# Altium PCB controller_V1.3.PcbDoc (part 1 of 6)
Units mil, origin at the board's own origin, x right, y up, seen from the top; angles counter-clockwise.
Board outline 9606 x 5905.51 mil, 2 copper layers (Top Layer, Bottom Layer); 441 components, 367 nets, 1496 pads, 5349 vias.
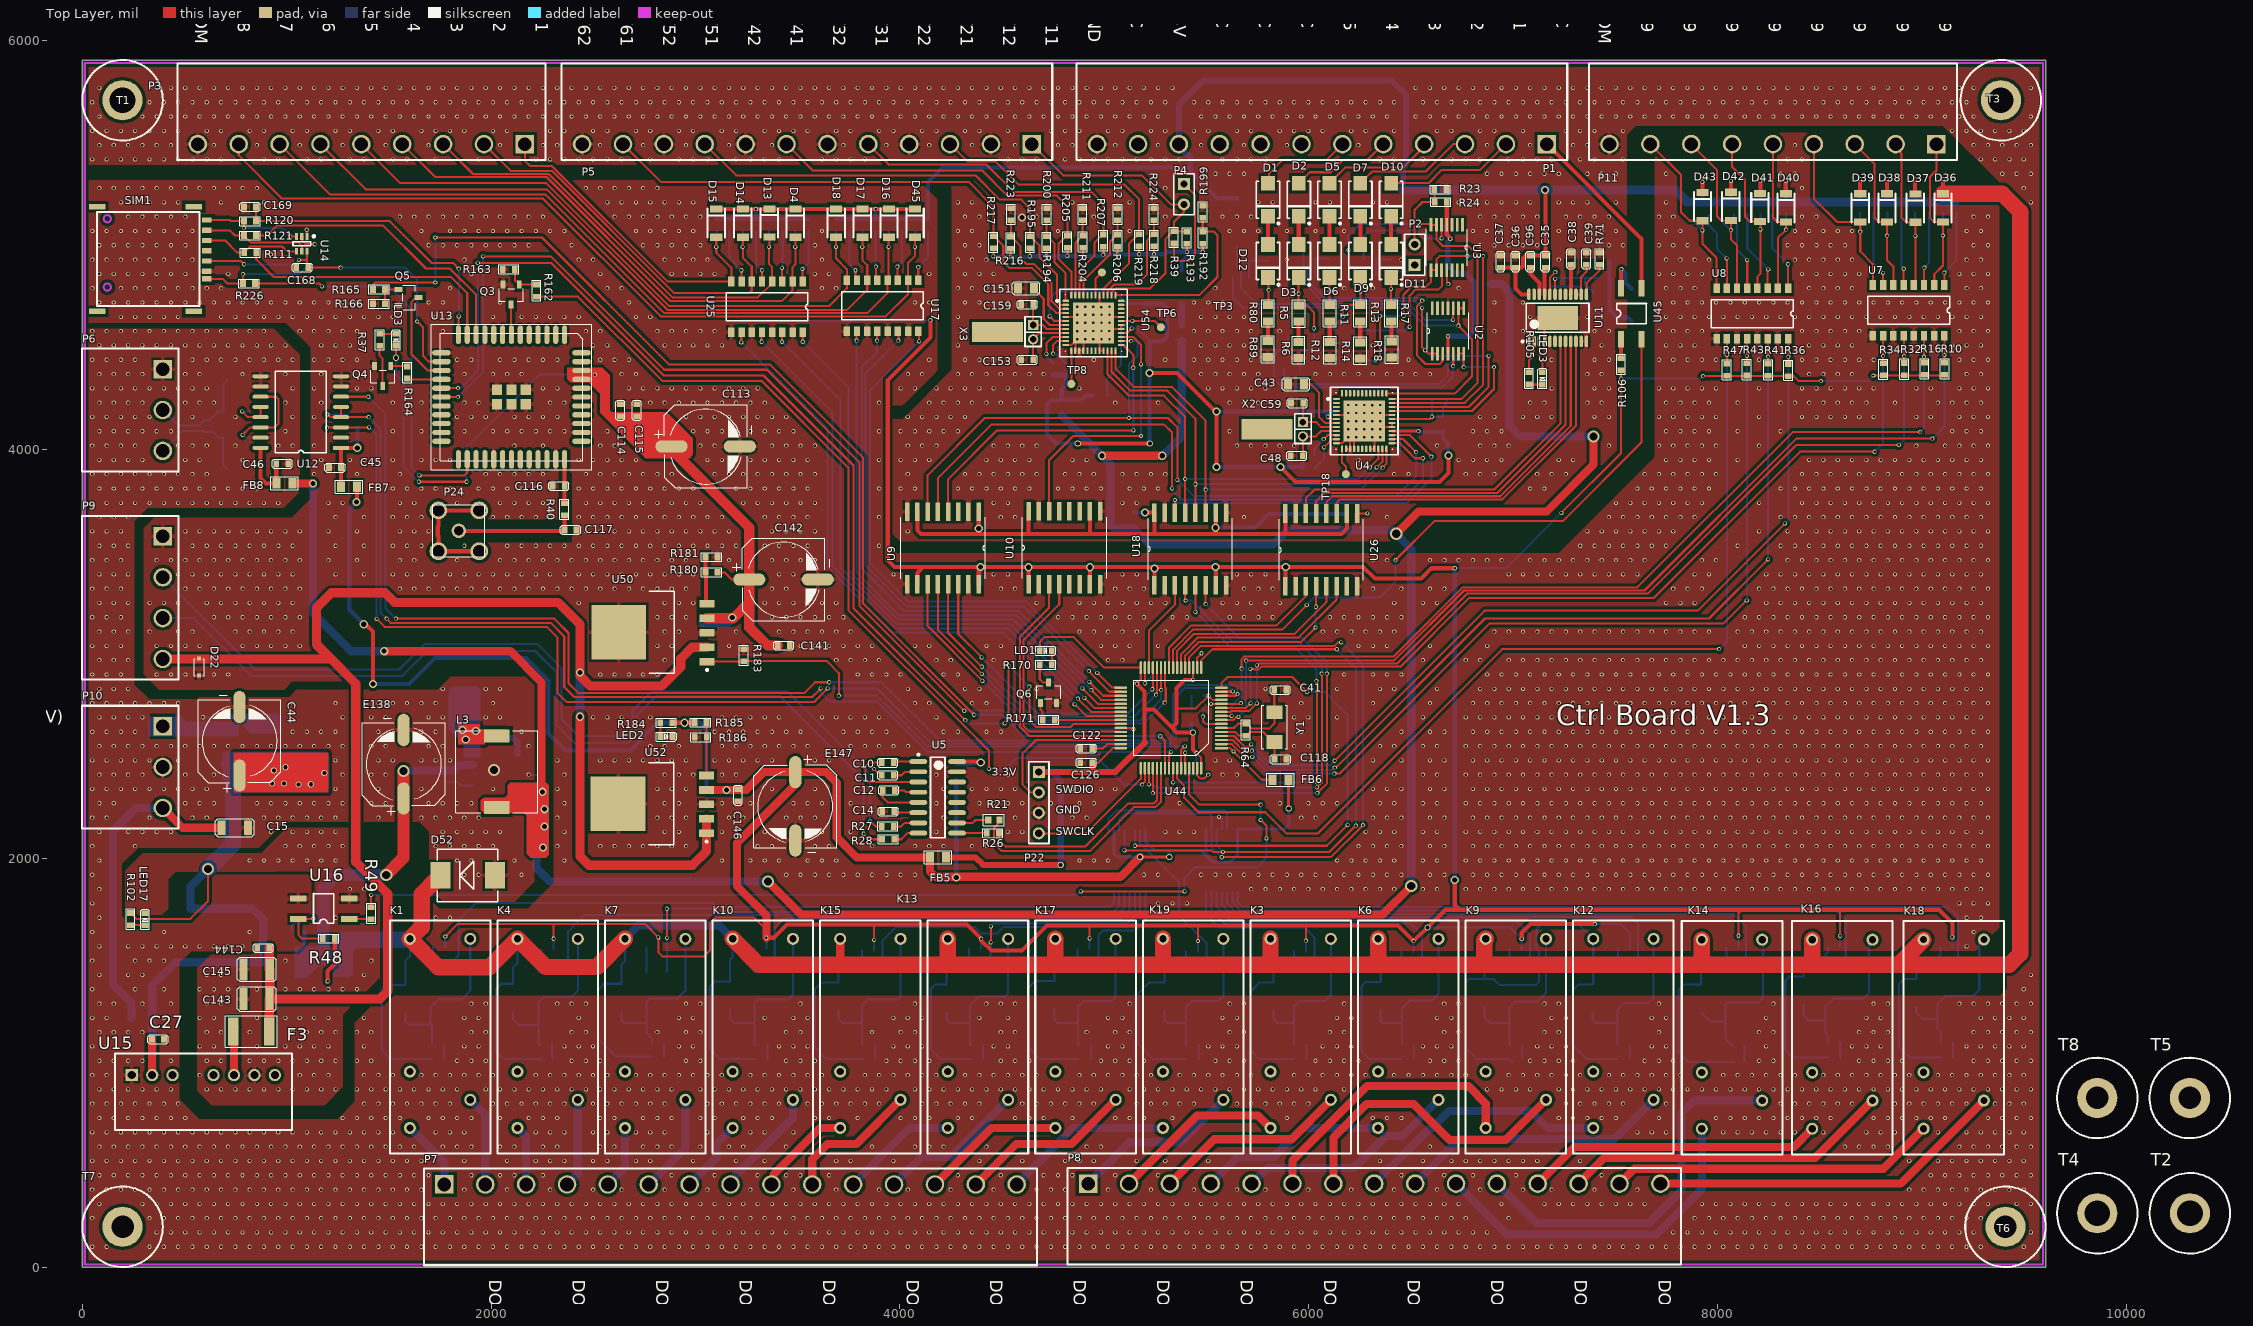
[diagram p0: Top Layer view]
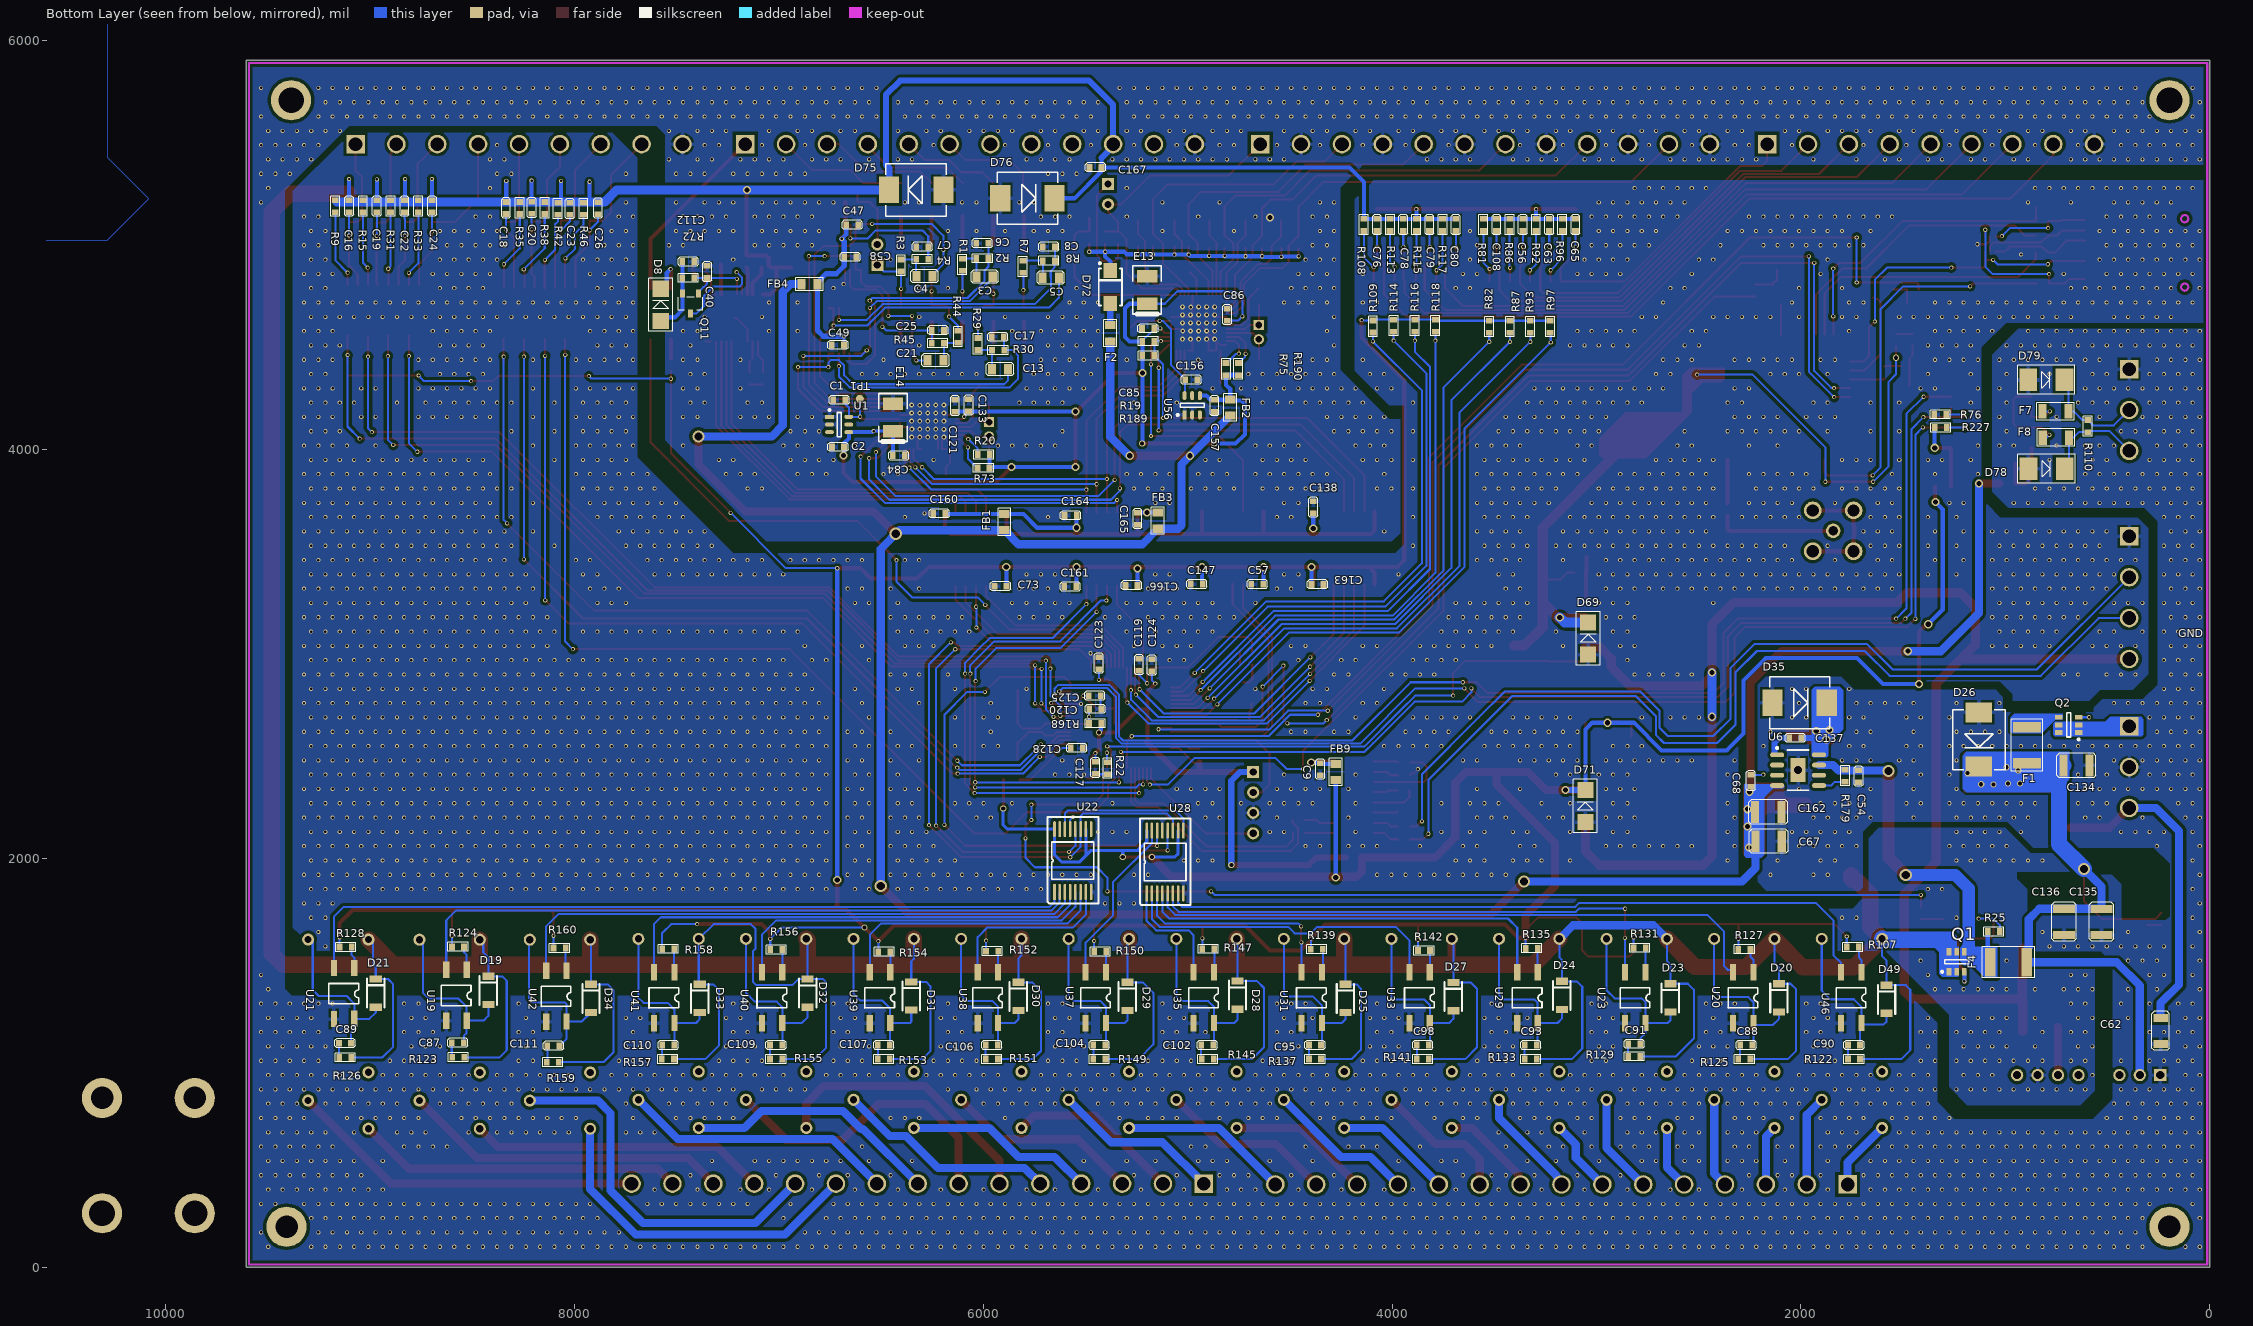
[diagram p1: Bottom Layer view, seen from below]

## Layer stack, top to bottom
Top Solder: solder mask 0.4, Solder Resist, Dk 3.5
Top Layer: signal copper 1.4
Dielectric1: prepreg 12.6, FR-4, Dk 4.8
Bottom Layer: signal copper 1.4
Bottom Solder: solder mask 0.4, Solder Resist, Dk 3.5

## Board outline
0,0 0,5905.51 9606,5905.51 9606,0

## Design rules (kind name [scope] priority, off if disabled: settings)
Clearance [InPolygon] p1: gap=15 ignorepadtopadclearanceinfootprint=FALSE
Clearance Clearance_1 [All] p2: gap=5 ignorepadtopadclearanceinfootprint=FALSE
DiffPairsRouting [All] p1: maxlimit=10 minlimit=10 mostfreqgap=10 toplayer_minwidth=15 toplayer_maxwidth=15 toplayer_prefwidth=15 bottomlayer_minwidth=15 bottomlayer_maxwidth=15 bottomlayer_prefwidth=15 maxuncoupledlength=500
HoleToHoleClearance [All] p1: gap=5 allowstackedmicrovias=TRUE
MinimumSolderMaskSliver [All] p1: minsoldermaskwidth=5
PolygonConnect PolygonConnect_1 [IsVia] p1: connectstyle=Direct reliefconductorwidth=10 reliefentries=4 polygonreliefangle="90 Angle" airgapwidth=10
PolygonConnect [All] p2: connectstyle=Relief reliefconductorwidth=20 reliefentries=4 polygonreliefangle="90 Angle" airgapwidth=10
RoutingVias [All] p1: holewidth=10 width=20 viastyle="Through Hole" minholewidth=10 minwidth=20 maxholewidth=100 maxwidth=200
SilkToSilkClearance [All] p1: silktosilkclearance=5
SilkToSolderMaskClearance SilkscreenOverComponentPads [IsPad] p1: minsilkscreentomaskgap=0 clearancetoexposedcopper=TRUE
SolderMaskExpansion [All] p1: expansion=4 istentingtop=FALSE
Width [All] p1: maxlimit=200 minlimit=10 preferedwidth=10
25 further rules are at their usual default settings.

## Classes and differential pairs
component class do1: C87 C88 C89 C90 C91 C93 C95 C98 C102 C104 C106 C107 C109 C110 C111 D19 D20 D21 D23 D24 D25 D27 D28 D29 D30 D31 D32 D33 D34 D49 R107 R122 R123 R124 R125 R126 R127 R128 R129 R131 R133 R135 R137 R139 R141 R142 R145 R147 R149 R150 R151 R152 R153 R154 R155 R156 R157 R158 R159 R160 U19 U20 U21 U23 U29 U31 U33 U35 U37 U38 U39 U40 U41 U42 U46
component class power1: C15 C44 C54 C62 C67 C68 C134 C135 C136 C137 C162 D26 D35 E138 F1 F4 L3 LED17 P10 Q1 Q2 R25 R48 R49 R102 R179 T5 T6 T7 T8 U6 U16
component class relay1: K1 K3 K4 K6 K7 K9 K10 K12 K13 K14 K15 K16 K17 K18 K19 P7 P8
component class rs232: C9 C10 C11 C12 C14 D22 FB9 P9 R21 R26 R27 R28 U5
component class rs485: C45 C46 D78 D79 F7 F8 FB7 FB8 P6 R76 R110 R227 U12
net class DI[0..11]: DI0 DI1 DI2 DI3 DI4 DI5 DI6 DI7 DI8 DI9 DI10 DI11
net class DO[0..19]: DO0 DO1 DO2 DO3 DO4 DO5 DO6 DO7 DO8 DO9 DO10 DO11 DO12 DO13 DO14 DO15 DO16 DO17 DO18 DO19
net class DO_O[0..19]: DO_O0 DO_O1 DO_O2 DO_O3 DO_O4 DO_O5 DO_O6 DO_O7 DO_O8 DO_O9 DO_O10 DO_O11 DO_O12 DO_O13 DO_O14 DO_O15 DO_O16 DO_O17 DO_O18 DO_O19
net class N000-2_[0..11]: N000-1_0 N000-1_1 N000-1_2 N000-1_3 N000-1_4 N000-1_5 N000-1_6 N000-1_7 N000-1_8 N000-1_9 N000-1_10 N000-1_11
net class N000-1_[0..19]: N000-2_0 N000-2_1 N000-2_2 N000-2_3 N000-2_4 N000-2_5 N000-2_6 N000-2_7 N000-2_8 N000-2_9 N000-2_10 N000-2_11 N000-2_12 N000-2_13 N000-2_14 N000-2_15 N000-2_16 N000-2_17 N000-2_18 N000-2_19
net class N000-3_[0..19]: N000-3_0 N000-3_1 N000-3_2 N000-3_3 N000-3_4 N000-3_5 N000-3_6 N000-3_7 N000-3_8 N000-3_9 N000-3_10 N000-3_11 N000-3_12 N000-3_13 N000-3_14 N000-3_15 N000-3_16 N000-3_17 N000-3_18 N000-3_19
component class ai: C1 C2 C3 C4 C5 C6 C7 C8 C13 C17 C21 C25 C43 C47 C48 C49 C58 C59 C84 C85 C86 C121 C133 C138 C147 C160 C161 C163 C164 D1 D2 D3 D5 D6 D7 D9 D10 D11 D12 D52 E13 E14 FB1 FB2 FB4 P1 P2 R1 R2 R3 R4 R5 R6 R7 R8 R11 R12 R13 R14 R17 R18 R19 R20 R23 R24 R29 R30 R44 R45 R73 R80 R89 TP1 TP18 U1 U2 U3 U4 U9 U10 U18 X2
component class ao: C35 C36 C37 C38 C39 C40 C96 C112 C165 C166 C167 D8 D75 FB3 LED3 Q11 R71 R72 R105 R106 U11 U26 U45
component class di: C16 C18 C19 C20 C22 C23 C24 C26 C56 C63 C65 C76 C78 C79 C80 C108 D4 D13 D14 D15 D16 D17 D18 D36 D37 D38 D39 D40 D41 D42 D43 D45 D76 P3 P11 R9 R10 R15 R16 R31 R32 R33 R34 R35 R36 R38 R41 R42 R43 R46 R47 R81 R82 R86 R87 R92 R93 R96 R97 R108 R109 R113 R114 R115 R116 R117 R118 U7 U8 U17 U25
component class IO_ctrl: C57 C73 U22 U28
component class LTE: C113 C114 C115 C116 C117 C168 C169 LD3 P24 Q3 Q4 Q5 R37 R40 R111 R120 R121 R162 R163 R164 R165 R166 R226 SIM1 U13 U14
component class mcu: C41 C118 C119 C120 C122 C123 C124 C125 C126 C127 C128 FB5 FB6 LD1 P22 Q6 R22 R64 R168 R170 R171 U44 Y1
component class power: C27 C141 C142 C143 C144 C145 C146 D69 D71 E147 F3 LED2 R180 R181 R183 R184 R185 R186 T1 T2 T3 T4 U15 U50 U52
component class pt100: C151 C153 C156 C157 C159 D72 F2 P4 P5 R39 R75 R189 R190 R192 R193 R194 R195 R199 R200 R204 R205 R206 R207 R211 R212 R216 R217 R218 R219 R223 R224 TP3 TP6 TP8 U54 U56 X3
differential pair MB_RX1: +MB_RX1_P -MB_RX1_N

## Components (designator, comment, footprint, x,y, rotation, side; value= is the part's Value field where it differs from the comment)
C1 "1uF" 0603C 6675.69,4242 r0 bottom
C2 "0.1uF" 0603C 6740.69,4012 r180 bottom
C3 "220nF" 0805C 6033,4845 r180 bottom
C4 "220nF" 0805C 6327.79,4847.6 r180 bottom
C5 "220nF" 0805C 5709.79,4840.6 r180 bottom
C6 "0.1uF" 0603C 6034.96,5009.1 r180 bottom
C7 "0.1uF" 0603C 6328.83,4991 r180 bottom
C8 "0.1uF" 0603C 5708.85,4991.6 r180 bottom
C9 "0.1uF" 0603C 4352,2465 r270 bottom value=0.1uF/50V
C10 "0.1uF" 0603C 3969.85,2468 r180 top value=0.1uF/50V
C11 "0.1uF" 0603C 3970.85,2406 r180 top value=0.1uF/50V
C12 "0.1uF" 0603C 3974.91,2332 r180 top value=0.1uF/50V
C13 "220nF" 0805C 5957.79,4392.6 r180 bottom
C14 "0.1uF" 0603C 3972.85,2229 r180 top value=0.1uF/50V
C15 "1nF/2kV" 1206C 809.95,2149 r180 top
C16 "10nF/50V" 0603C 9103.29,5219.06 r270 bottom value=22nF
C17 "0.1uF" 0603C 5958.79,4550.6 r180 bottom
C18 "10nF/50V" 0603C 8336,5211 r270 bottom value=22nF
C19 "10nF/50V" 0603C 8967.86,5219.06 r270 bottom value=22nF
C20 "10nF/50V" 0603C 8210,5212.06 r270 bottom value=22nF
C21 "220nF" 0805C 6195,4436 r0 bottom
C22 "10nF/50V" 0603C 8832.43,5219.06 r270 bottom value=22nF
C23 "10nF/50V" 0603C 8023.68,5207.06 r270 bottom value=22nF
C24 "10nF/50V" 0603C 8697,5219.06 r270 bottom value=22nF
C25 "0.1uF" 0603C 6192.74,4582.6 r0 bottom
C26 "10nF/50V" 0603C 7885.68,5210.06 r270 bottom value=22nF
C27 "1uF" 0603C 400,1114 r180 top
C35 "0.01uF" 0603C 7158.54,4889.95 r90 top
C36 "0.01uF" 0603C 7011.87,4949 r270 top
C37 "0.1uF" 0603C 6938.54,4949 r270 top
C38 "0.1uF" 0603C 7283.54,4904 r90 top
C39 "0.1uF" 0603C 7358.54,4904 r90 top
C40 "0.1uF" 0603C 7351.54,4898.13 r270 bottom
C41 "20p" 0603c 5890.85,2823 r180 top
C43 "22nF" 0805C 5977.17,4319 r180 top
C44 "220uF/50V" Φ10×10 768.85,2572.32 r180 top
C45 "0.1uF" 0603C 1206.94,3911 r0 top
C46 "0.1uF" 0603C 1008,3930 r180 top
C47 "0.1uF" 0603C 6612.02,5099 r0 bottom
C48 "4.7pF" 0603C 5972.17,3969 r180 top
C49 "0.1uF" 0603C 6741,4511 r180 bottom
C54 "1uF" 0603C 1717.85,2370.95 r90 bottom
C56 "10nF/50V" 0603C 3360.32,5128.11 r270 bottom value=22nF
C57 "0.1uF" 0603C 4629.85,3340.9 r0 bottom
C58 "0.1uF" 0603C 6621.44,4941.5 r0 bottom
C59 "4.7pF" 0603C 5973.17,4226.42 r180 top value=6.8pF
C62 "1nF/2kV" 1206C 240,1091 r90 bottom
C63 "10nF/50V" 0603C 3231.46,5128.11 r270 bottom value=22nF
C65 "10nF/50V" 0603C 3102.61,5128.11 r270 bottom value=22nF
C67 "22uF/10V" 1210C 2221.85,2083 r180 bottom
C68 "0.1uF" 0603C 2244.85,2348.95 r90 bottom
C73 "0.1uF" 0603C 5886.85,3330.87 r0 bottom
C76 "10nF/50V" 0603C 4074.32,5128.11 r270 bottom value=22nF
C78 "10nF/50V" 0603C 3945.75,5128.11 r270 bottom value=22nF
C79 "10nF/50V" 0603C 3817.18,5128.11 r270 bottom value=22nF
C80 "10nF/50V" 0603C 3688.61,5128.11 r270 bottom value=22nF
C84 "0.01uF" 0603C 6384,3970 r0 bottom
C85 "0.1uF" 0603C 5223.85,4592 r180 bottom
C86 "0.1uF" 0603C 4807.17,4689 r270 bottom
C87 "0.1uF" 0603C 8542,1097.15 r0 bottom
C88 "0.1uF" 0603C 2238.21,1085.65 r0 bottom
C89 "0.1uF" 0603C 9094,1095.15 r0 bottom
C90 "0.1uF" 0603C 1710.8,1085.65 r0 bottom
C91 "0.1uF" 0603C 2786,1091 r0 bottom
C93 "0.1uF" 0603C 3293.03,1085.65 r0 bottom
C95 "0.1uF" 0603C 4347.85,1085.65 r0 bottom
C96 "0.01uF" 0603C 7085.2,4889.95 r90 top
C98 "0.1uF" 0603C 3820.44,1085.65 r0 bottom
C102 "0.1uF" 0603C 4875.26,1085.65 r0 bottom
C104 "0.1uF" 0603C 5402.68,1085.65 r0 bottom
C106 "0.1uF" 0603C 5930.09,1085.65 r0 bottom
C107 "0.1uF" 0603C 6457.5,1085.65 r0 bottom
C108 "10nF/50V" 0603C 3489.18,5128.11 r270 bottom value=22nF
C109 "0.1uF" 0603C 6984.91,1085.65 r0 bottom
C110 "0.1uF" 0603C 7512.32,1085.65 r0 bottom
C111 "0.1uF" 0603C 8073.95,1082.15 r0 bottom
C112 "0.01uF" 0603C 7414.48,4919 r0 bottom
C113 "220uF/50V" Φ10×10 3050,4015 r90 top value=100pF
C114 "100nF/50V" 0603C 2632.64,4221.53 r270 top value=22nF
C115 "33pF/50V" 0603C 2712.64,4221.53 r270 top value=22nF
C116 "NC" 0603c 2359.85,3821.43 r180 top value=22nF
C117 "NC" 0603c 2358.95,3606.43 r0 top value=22nF
C118 "20p" 0603c 5892,2484 r180 top
C119 "2.2uF/50V" 0603C 5238.31,2976.54 r270 bottom value=22nF
C120 "0.1uF/50V" 0603C 5423.85,2730 r0 bottom value=22nF
C121 "0.1uF" 0603C 6139,4243 r270 bottom
C122 "2.2uF/50V" 0603C 4883,2537 r0 top value=22nF
C123 "0.1uF/50V" 0603C 5434.85,2983 r270 bottom value=22nF
C124 "0.1uF/50V" 0603C 5175.85,2974 r270 bottom value=22nF
C125 "0.1uF/50V" 0603C 5425.95,2795 r0 bottom value=22nF
C126 "0.1uF/50V" 0603C 4883,2467 r0 top value=22nF
C127 "0.1uF/50V" 0603C 5452,2413 r90 bottom value=22nF
C128 "0.1uF/50V" 0603C 5512.95,2539 r0 bottom value=22nF
C133 "0.1uF" 0603C 6072,4245 r270 bottom
C134 "1uF/50V" 1210C 587.85,2454 r0 bottom value=22nF
C135 "4.7uF/50V" 1210C 529.5,1624.58 r90 bottom value=22nF
C136 "10uF/50V" 1210C 713,1625 r90 bottom value=22nF
C137 "0.01uF" 0603C 1998.94,2588 r0 bottom
C138 "0.1uF" 0603C 4386,3747 r270 bottom
C141 "0.1uF/50V" 0603C 3462,3041 r180 top value=22nF
C142 "470uF/50V" Φ10×10 3431,3364 r90 top value=100pF
C143 "22uF/10V" 1210C 916.95,1311 r180 top
C144 "0.1uF" 0603C 915,1561 r180 top
C145 "22uF/10V" 1210C 917,1456 r180 top
C146 "0.1uF/50V" 0603C 3208,2279 r90 top value=22nF
C147 "0.1uF" 0603C 4985.85,3341 r180 bottom
C151 "22nF" 0805C 4657.17,4789 r180 top
C153 "4.7pF" 0603C 4652.17,4439 r180 top
C156 "1uF" 0603C 5013.17,4341.42 r180 bottom
C157 "0.1uF" 0603C 4869.17,4183.47 r90 bottom
C159 "4.7pF" 0603C 4652.17,4709 r180 top value=6.8pF
C160 "0.1uF" 0603C 6245.91,3686.87 r180 bottom
C161 "0.1uF" 0603C 5603.85,3329 r180 bottom
C162 "22uF/10V" 1210C 2223.85,2226 r180 bottom
C163 "0.1uF" 0603C 4335.85,3339.9 r0 bottom
C164 "0.1uF" 0603C 5603,3677 r180 bottom
C165 "0.1uF" 0603C 5246,3632 r90 bottom
C166 "0.1uF" 0603C 5304.91,3334.9 r180 bottom
C167 "0.1uF" 0603C 5481,5380 r180 bottom
C168 "0.1uF/10V" 0603c 1045.94,4890 r0 top
C169 "0.1uF/10V" 0603c 849.95,5187 r180 top
D1 "SS14" DO-214AC 5801.29,5222 r270 top
D2 "SS14" DO-214AC 5951.92,5222 r270 top
D3 "SS14" DO-214AC 5951.92,4922 r270 top
D4 "LL4148" DO-213AB/LL34/MiniMELF 3488.61,5107.11 r270 top
D5 "SS14" DO-214AC 6102.54,5222 r270 top
D6 "SS14" DO-214AC 6102.54,4922 r270 top
D7 "SS14" DO-214AC 6253.17,5222 r270 top
D8 "SS36" sma 7578.54,4629 r90 bottom
D9 "SS14" DO-214AC 6253.17,4922 r270 top
D10 "SS14" DO-214AC 6403.79,5222 r270 top
D11 "SS14" DO-214AC 6403.79,4922 r270 top
D12 "SS14" DO-214AC 5801.29,4922 r270 top
D13 "LL4148" DO-213AB/LL34/MiniMELF 3361.61,5108.11 r270 top
D14 "LL4148" DO-213AB/LL34/MiniMELF 3231.61,5107.11 r270 top
D15 "LL4148" DO-213AB/LL34/MiniMELF 3101.61,5107.11 r270 top
D16 "LL4148" DO-213AB/LL34/MiniMELF 3946.61,5107.11 r270 top
D17 "LL4148" DO-213AB/LL34/MiniMELF 3816.61,5107.11 r270 top
D18 "LL4148" DO-213AB/LL34/MiniMELF 3688.61,5107.11 r270 top
D19 "LL4148" DO-213AB/LL34/MiniMELF 8422,1353.25 r270 bottom
D20 "LL4148" DO-213AB/LL34/MiniMELF 2107.85,1317 r270 bottom
D21 "LL4148" DO-213AB/LL34/MiniMELF 8973,1340.15 r270 bottom
D22 "CESDB5V0D5" sod323 571,2894 r90 top
D23 "LL4148" DO-213AB/LL34/MiniMELF 2638.85,1317 r270 bottom
D24 "LL4148" DO-213AB/LL34/MiniMELF 3169.85,1329 r270 bottom
D25 "LL4148" DO-213AB/LL34/MiniMELF 4228.85,1314 r270 bottom
D26 "SMCJ30CA" SMC 1128.85,2713.75 r270 bottom
D27 "LL4148" DO-213AB/LL34/MiniMELF 3700.85,1323 r270 bottom
D28 "LL4148" DO-213AB/LL34/MiniMELF 4756.85,1330 r270 bottom
D29 "LL4148" DO-213AB/LL34/MiniMELF 5295.85,1324 r270 bottom
D30 "LL4148" DO-213AB/LL34/MiniMELF 5828.85,1324 r270 bottom
D31 "LL4148" DO-213AB/LL34/MiniMELF 6352.85,1326 r270 bottom
D32 "LL4148" DO-213AB/LL34/MiniMELF 6859.85,1340 r270 bottom
D33 "LL4148" DO-213AB/LL34/MiniMELF 7387.85,1314 r270 bottom
D34 "LL4148" DO-213AB/LL34/MiniMELF 7920,1314.25 r270 bottom
D35 "SS54" SMC 2139.6,2761 r180 bottom
D36 "LL4148" DO-213AB/LL34/MiniMELF 9104,5182 r270 top
D37 "LL4148" DO-213AB/LL34/MiniMELF 8968.35,5180.47 r270 top
D38 "LL4148" DO-213AB/LL34/MiniMELF 8830,5182 r270 top
D39 "LL4148" DO-213AB/LL34/MiniMELF 8699,5182 r270 top
D40 "LL4148" DO-213AB/LL34/MiniMELF 8336,5182 r270 top
D41 "LL4148" DO-213AB/LL34/MiniMELF 8208,5184 r270 top